# KiCad board periph_board.kicad_pcb
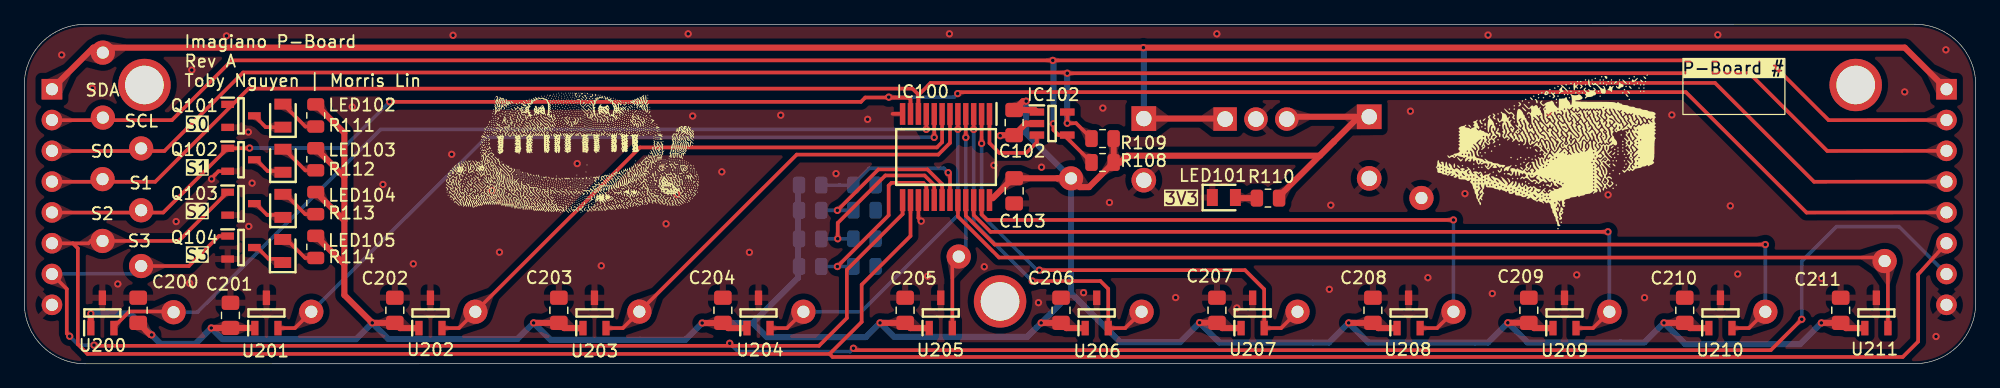
[diagram p0: board, top side]
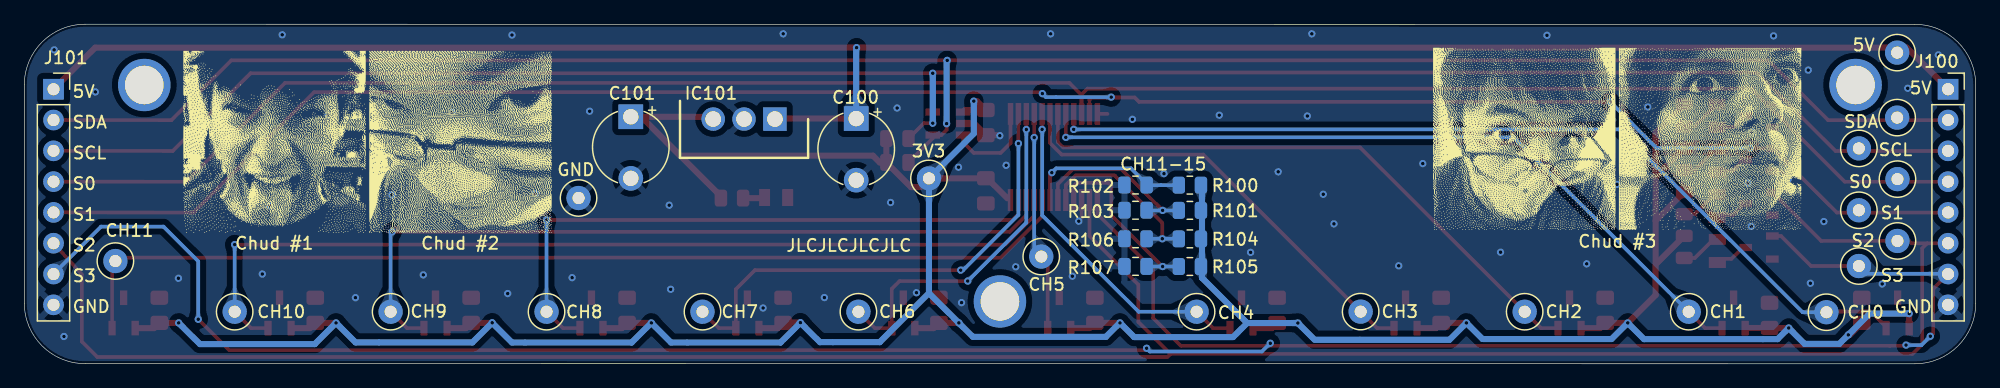
[diagram p1: board, bottom side, seen from below]

Outline 160.6 x 28 mm; copper layers: Top, Bottom. Coordinates in mm from the lower left corner of the outline.
Outline path: 0,22.99 arc(1.46,26.53) 5,27.99 155.6,28 arc(159.14,26.54) 160.6,23 160.6,5.01 arc(159.14,1.47) 155.6,0.01 5,0 arc(1.46,1.46) 0,5 0,22.99

## Placement (name value [footprint] x y rotation side)
C100  4u7  [CP_Radial_Tantal200mil]  92.14 20.22 270 bottom
C101  4u7  [CP_Radial_Tantal200mil]  110.69 20.37 270 bottom
C102  1u  [C_0805_2012Metric_Pad1.18x1.45mm_HandSolder]  81.46 19.89 90 top
C103  1u  [C_0805_2012Metric_Pad1.18x1.45mm_HandSolder]  81.46 14.26 90 top
C200  1u  [C_0805_2012Metric_Pad1.18x1.45mm_HandSolder]  9.38 4.41 270 top
C201  1u  [C_0805_2012Metric_Pad1.18x1.45mm_HandSolder]  16.97 3.99 270 top
C202  1u  [C_0805_2012Metric_Pad1.18x1.45mm_HandSolder]  30.49 4.41 270 top
C203  1u  [C_0805_2012Metric_Pad1.18x1.45mm_HandSolder]  43.99 4.41 270 top
C204  1u  [C_0805_2012Metric_Pad1.18x1.45mm_HandSolder]  57.49 4.41 270 top
C205  1u  [C_0805_2012Metric_Pad1.18x1.45mm_HandSolder]  72.49 4.41 270 top
C206  1u  [C_0805_2012Metric_Pad1.18x1.45mm_HandSolder]  85.32 4.41 270 top
C207  1u  [C_0805_2012Metric_Pad1.18x1.45mm_HandSolder]  98.16 4.41 270 top
C208  1u  [C_0805_2012Metric_Pad1.18x1.45mm_HandSolder]  110.99 4.41 270 top
C209  1u  [C_0805_2012Metric_Pad1.18x1.45mm_HandSolder]  123.82 4.41 270 top
C210  1u  [C_0805_2012Metric_Pad1.18x1.45mm_HandSolder]  136.65 4.41 270 top
C211  1u  [C_0805_2012Metric_Pad1.18x1.45mm_HandSolder]  149.49 4.41 270 top
G***  -  [LOGO]  125.63 17.77 0 top
G***#2  -  [LOGO]  45.27 17.61 0 top
G***#3  -  [LOGO]  140.01 18.3 180 bottom
G***#4  -  [LOGO]  21.86 18.55 180 bottom
G***#5  -  [LOGO]  124.71 18.3 180 bottom
G***#6  -  [LOGO]  37.15 18.55 180 bottom
H101  MountingHole  [standoff_MH]  150.73 23.01 0 top
H102  MountingHole  [standoff_MH]  9.89 23.01 0 top
H103  MountingHole  [standoff_MH]  80.3 5.16 0 top
IC100  CD74HC4067SM96  [SOP65P780X200-24N]  75.86 17.05 270 top
IC101  LM2937ET-3.3_NOPB  [TO254P470X1028X1955-3P]  98.83 20.18 0 bottom
IC102  MCP3221AxT-E_OT  [SOT95P280X145-5N]  84.58 19.81 0 top
J100  2x8 Socket Pins  [PinSocket_1x08_P2.54mm_Vertical]  2.28 22.64 180 bottom
J101  2x8 Plug Pins  [PinSocket_1x08_P2.54mm_Vertical]  158.19 22.64 180 bottom
LED101  PWR_LED  [LEDC2012X40N]  98.73 13.71 0 top
LED102  S0  [LEDC2012X40N]  21.28 20.46 90 top
LED103  S1  [LEDC2012X40N]  21.28 16.74 90 top
LED104  S2  [LEDC2012X40N]  21.28 13.02 90 top
LED105  S3  [LEDC2012X40N]  21.27 9.3 90 top
Q101  NX3020NAK-QR  [SOT95P230X110-3N]  17.84 20.44 0 top
Q102  NX3020NAK-QR  [SOT95P230X110-3N]  17.84 16.82 0 top
Q103  NX3020NAK-QR  [SOT95P230X110-3N]  17.84 13.2 0 top
Q104  NX3020NAK-QR  [SOT95P230X110-3N]  17.84 9.58 0 top
R100  3k  [R_0805_2012Metric]  64.67 14.73 0 bottom  (not fitted)
R101  7k5  [R_0805_2012Metric]  64.67 12.65 0 bottom  (not fitted)
R102  3k3  [R_0805_2012Metric]  69.14 14.74 0 bottom  (not fitted)
R103  9k1  [R_0805_2012Metric]  69.14 12.66 0 bottom  (not fitted)
R104  1k5  [R_0805_2012Metric]  64.67 10.3 0 bottom  (not fitted)
R105  1k3  [R_0805_2012Metric]  64.67 8.02 0 bottom  (not fitted)
R106  2k  [R_0805_2012Metric]  69.14 10.31 0 bottom  (not fitted)
R107  2k  [R_0805_2012Metric]  69.14 8.03 0 bottom  (not fitted)
R108  10k  [R_0805_2012Metric]  88.74 16.6 0 top
R109  10k  [R_0805_2012Metric]  88.74 18.57 0 top
R110  470  [R_0805_2012Metric]  102.36 13.66 0 top
R111  470  [R_0805_2012Metric]  23.98 20.48 90 top
R112  470  [R_0805_2012Metric]  23.98 16.86 90 top
R113  470  [R_0805_2012Metric]  23.98 13.25 90 top
R114  470  [R_0805_2012Metric]  23.98 9.64 90 top
TP100  CH0  [bettertestpoint2]  12.28 4.25 90 bottom
TP101  CH1  [bettertestpoint2]  23.62 4.29 90 bottom
TP102  3V3  [bettertestpoint2]  86.14 15.29 180 bottom
TP103  CH2  [bettertestpoint2]  37.12 4.29 90 bottom
TP104  CH3  [bettertestpoint2]  50.62 4.3 90 bottom
TP105  CH4  [bettertestpoint2]  64.12 4.29 90 bottom
TP106  CH5  [bettertestpoint2]  76.91 8.84 90 bottom
TP107  CH6  [bettertestpoint2]  91.95 4.29 90 bottom
TP108  CH7  [bettertestpoint2]  104.79 4.29 90 bottom
TP109  CH8  [bettertestpoint2]  117.62 4.29 90 bottom
TP110  CH9  [bettertestpoint2]  130.45 4.29 90 bottom
TP111  CH10  [bettertestpoint2]  143.29 4.29 90 bottom
TP112  CH11  [bettertestpoint2]  153.11 8.47 180 bottom
TP113  SDA  [bettertestpoint2]  6.47 20.3 180 bottom
TP114  SCL  [bettertestpoint2]  9.62 17.76 180 bottom
TP115  GND  [bettertestpoint2]  114.98 13.67 180 bottom
TP116  S0  [bettertestpoint2]  6.44 15.23 180 bottom
TP117  S1  [bettertestpoint2]  9.62 12.66 180 bottom
TP118  S2  [bettertestpoint2]  6.44 10.13 180 bottom
TP119  S3  [bettertestpoint2]  9.62 8.06 180 bottom
TP120  5V  [bettertestpoint2]  6.47 25.66 180 bottom
U200  AH49HNTR-G1  [SOT95P282X145-3N]  6.42 4.19 90 top
U201  AH49HNTR-G1  [SOT95P282X145-3N]  19.92 4.19 90 top
U202  AH49HNTR-G1  [SOT95P282X145-3N]  33.42 4.19 90 top
U203  AH49HNTR-G1  [SOT95P282X145-3N]  46.92 4.19 90 top
U204  AH49HNTR-G1  [SOT95P282X145-3N]  60.42 4.19 90 top
U205  AH49HNTR-G1  [SOT95P282X145-3N]  75.42 4.19 90 top
U206  AH49HNTR-G1  [SOT95P282X145-3N]  88.26 4.19 90 top
U207  AH49HNTR-G1  [SOT95P282X145-3N]  101.09 4.19 90 top
U208  AH49HNTR-G1  [SOT95P282X145-3N]  113.92 4.19 90 top
U209  AH49HNTR-G1  [SOT95P282X145-3N]  126.76 4.19 90 top
U210  AH49HNTR-G1  [SOT95P282X145-3N]  139.59 4.19 90 top
U211  AH49HNTR-G1  [SOT95P282X145-3N]  152.42 4.19 90 top

## Library data of the parts
C100 = -: Datasheet: https://datasheets.kyocera-avx.com/KGM_X7R.pdf; Description: Unpolarized capacitor; Mouser Price/Stock: https://www.mouser.com/ProductDetail/KYOCERA-AVX/0805YC105KAT2A?qs=Ppq%252BQS%252B9qgKbltvIecMi5g%3D%3D; ki_fp_filters: CP_*
C101 = -: Description: Polarized capacitor, US symbol; Mouser Price/Stock: https://www.mouser.com/ProductDetail/KYOCERA-AVX/TCP1A106M8R?qs=sGAEpiMZZMtZ1n0r9vR22blfza6EDqdqKChrjBJniGMwR4ZbZ0PzAQ%3D%3D; ki_fp_filters: CP_*
C102 C103 C200-C211 = -: Datasheet: https://datasheets.kyocera-avx.com/KGM_X7R.pdf; Description: Unpolarized capacitor; Mouser Price/Stock: https://www.mouser.com/ProductDetail/KYOCERA-AVX/0805YC105KAT2A?qs=Ppq%252BQS%252B9qgKbltvIecMi5g%3D%3D; ki_fp_filters: C_*
H101-H103 = -: Description: Mounting Hole with connection; ki_fp_filters: MountingHole*Pad*
IC100 = -: Datasheet: https://datasheet.datasheetarchive.com/originals/distributors/SFDatasheet-6/sf-000127204.pdf; Description: High Speed CMOS 16-Ch MUX/DEMUX 24P SOIC CD74HC4067SM96, Multiplexer/Demultiplexer Single 16:1, 3 V, 5 V, 24-Pin, SSOP, 1; Height: 2; Mouser Part Number: 595-CD74HC4067SM96; Mouser Price/Stock: https://www.mouser.com/ProductDetail/Texas-Instruments/CD74HC4067SM96?qs=JHHQeKcAU3DyfvAOSRLjhQ%3D%3D; Manufacturer_Name: Texas Instruments
IC101 = -: Datasheet: http://www.ti.com/general/docs/suppproductinfo.tsp?distId=10&gotoUrl=http%3A%2F%2Fwww.ti.com%2Flit%2Fgpn%2Flm2937; Description: 400mA and 500mA Voltage Regulator; Height: 4.7; Mouser Part Number: 926-LM2937ET-3.3NOPB; Mouser Price/Stock: https://www.mouser.com/ProductDetail/Texas-Instruments/LM2937ET-3.3-NOPB?qs=X1J7HmVL2ZEMUke2IfNR4w%3D%3D; Manufacturer_Name: Texas Instruments; Manufacturer_Part_Number: LM2937ET-3.3/NOPB
IC102 = -: Datasheet: https://datasheet.datasheetarchive.com/originals/distributors/SFDatasheet-4/sf-00090069.pdf; Description: A/D Converter 12-Bit I2C 22ksps SOT23-5; Height: 1.45; Mouser Part Number: 579-MCP3221A5T-E/OT; Mouser Price/Stock: https://www.mouser.com/ProductDetail/Microchip-Technology/MCP3221A5T-E-OT?qs=InakTnyiSK9lljladcdZHQ%3D%3D; Manufacturer_Name: Microchip; Manufacturer_Part_Number: MCP3221A5T-E/OT
J100 J101 = -: Description: Generic connector, single row, 01x08, script generated (kicad-library-utils/schlib/autogen/connector/); ki_fp_filters: Connector*:*_1x??_*
LED101 = -: Datasheet: https://datasheet.datasheetarchive.com/originals/distributors/DKDS-18/344792.pdf; Description: Standard LEDs - SMD Super Red, 633nm 180mcd, 20mA; Height: 0.4; Mouser Part Number: 720-LSR976-NR-1; Mouser Price/Stock: https://www.mouser.com/ProductDetail/ams-OSRAM/LS-R976-NR-1?qs=K5ta8V%252BWhtZhvCAe1sTZFg%3D%3D; Manufacturer_Name: ams OSRAM; Manufacturer_Part_Number: LS R976-NR-1; ki_fp_filters: LED* LED_SMD:* LED_THT:*
LED102-LED105 = -: Description: Standard LEDs - SMD Super Red, 633nm 180mcd, 20mA; Height: 0.4; Mouser Part Number: 720-LSR976-NR-1; Manufacturer_Name: ams OSRAM; Manufacturer_Part_Number: LS R976-NR-1; ki_fp_filters: LED* LED_SMD:* LED_THT:*
Q101-Q104 = -: Datasheet: https://assets.nexperia.com/documents/data-sheet/NX3020NAK.pdf; Description: 30 V, N-channel Trench MOSFET; Height: 1.1; Manufacturer_Name: Nexperia
R100-R107 = -: Description: Resistor, small US symbol; ki_fp_filters: R_*
R108-R114 = -: Description: Resistor; ki_fp_filters: R_*
TP100-TP120 = -: Description: test point; ki_fp_filters: Pin* Test*
U200-U211 = -: Datasheet: https://www.diodes.com//assets/Datasheets/AH49H.pdf; Description: Board Mount Hall Effect / Magnetic Sensors Linear Hall Sensor 3mA 3 to 8V; Height: 1.45; Mouser Part Number: 621-AH49HNTR-G1; Mouser Price/Stock: https://www.mouser.com/ProductDetail/Diodes-Incorporated/AH49HNTR-G1?qs=M%2FOdCRO8QQ2grA%252BZedkP6g%3D%3D; Manufacturer_Name: Diodes Incorporated

## Footprints (pads in the part's own frame, mm; a bottom-side part is the same pattern mirrored in y, then rotated)
bettertestpoint2
  round 2 hole 1: 1(0,0)
C_0805_2012Metric_Pad1.18x1.45mm_HandSolder
  rrect 1.175x1.45 smd: 1(-1.038,0) 2(1.038,0)
CP_Radial_Tantal200mil
  rect 2.032x2.032 hole 1.27: 1(0,0)
  round 2.032 hole 1.27: 2(5.08,0)
LEDC2012X40N
  rect 0.9x1.4 smd: 1(-0.95,0) 2(0.95,0)
PinSocket_1x08_P2.54mm_Vertical
  rect 1.7x1.7 hole 1: 1(0,0)
  round 1.7 hole 1: 2(0,-2.54) 3(0,-5.08) 4(0,-7.62) 5(0,-10.16) 6(0,-12.7) 7(0,-15.24) 8(0,-17.78)
R_0805_2012Metric
  rrect 1.025x1.4 smd: 1(-0.912,0) 2(0.912,0)
SOP65P780X200-24N
  rect 1.8x0.45 smd: 1(-3.55,3.575) 2(-3.55,2.925) 3(-3.55,2.275) 4(-3.55,1.625) 5(-3.55,0.975) 6(-3.55,0.325) 7(-3.55,-0.325) 8(-3.55,-0.975) 9(-3.55,-1.625) 10(-3.55,-2.275) 11(-3.55,-2.925) 12(-3.55,-3.575) 13(3.55,-3.575) 14(3.55,-2.925) 15(3.55,-2.275) 16(3.55,-1.625) 17(3.55,-0.975) 18(3.55,-0.325) 19(3.55,0.325) 20(3.55,0.975) 21(3.55,1.625) 22(3.55,2.275) 23(3.55,2.925) 24(3.55,3.575)
SOT95P230X110-3N
  rect 1.05x0.6 smd: 1(-1.1,0.95) 2(-1.1,-0.95) 3(1.1,0)
SOT95P280X145-5N
  rect 1.2x0.6 smd: 1(-1.25,0.95) 2(-1.25,0) 3(-1.25,-0.95) 4(1.25,-0.95) 5(1.25,0.95)
SOT95P282X145-3N
  rect 1.2x0.6 smd: 1(-1.25,0.95) 2(-1.25,-0.95) 3(1.25,0)
standoff_MH
  round 4.318 hole 3.175: 1(0,-0.025)
TO254P470X1028X1955-3P
  rect 1.935x1.935 hole 1.29: 1(0,0)
  round 1.935 hole 1.29: 2(2.54,0) 3(5.08,0)

## Nets
+3V3: C101.1 C102.2 C103.2 C200.2 C201.2 C202.2 C203.2 C204.2 C205.2 C206.2 C207.2 C208.2 C209.2 C210.2 C211.2 IC100.24 IC101.3 IC102.1 R100.1 R101.1 R104.1 R105.1 R108.2 R109.2 R110.2 R111.2 R112.2 R113.2 R114.2 TP102.1 U200.1 U201.1 U202.1 U203.1 U204.1 U205.1 U206.1 U207.1 U208.1 U209.1 U210.1 U211.1
+5V: C100.1 IC101.1 J100.1 J101.1 TP120.1
/1V729: IC100.19 R100.2 R102.1
/1V810: IC100.18 R101.2 R103.1
/1V866: IC100.17 R104.2 R106.1
/2V000: IC100.16 R105.2 R107.1
GND: C100.2 C101.2 C102.1 C103.1 C200.1 C201.1 C202.1 C203.1 C204.1 C205.1 C206.1 C207.1 C208.1 C209.1 C210.1 C211.1 IC100.12 IC100.15 IC101.2 IC102.2 J100.8 J101.8 LED101.1 Q101.2 Q102.2 Q103.2 Q104.2 R102.2 R103.2 R106.2 R107.2 TP115.1 U200.3 U201.3 U202.3 U203.3 U204.3 U205.3 U206.3 U207.3 U208.3 U209.3 U210.3 U211.3
/CH0: IC100.9 TP100.1 U200.2
/CH1: IC100.8 TP101.1 U201.2
/CH2: IC100.7 TP103.1 U202.2
/CH3: IC100.6 TP104.1 U203.2
/CH4: IC100.5 TP105.1 U204.2
/CH5: IC100.4 TP106.1 U205.2
/CH6: IC100.3 TP107.1 U206.2
/CH7: IC100.2 TP108.1 U207.2
/CH8: IC100.23 TP109.1 U208.2
/CH9: IC100.22 TP110.1 U209.2
/CH10: IC100.21 TP111.1 U210.2
/CH11: IC100.20 TP112.1 U211.2
/HALL_OUT: IC100.1 IC102.3
/S0: IC100.10 J100.4 J101.4 Q101.1 TP116.1
/S1: IC100.11 J100.5 J101.5 Q102.1 TP117.1
/S2: IC100.14 J100.6 J101.6 Q103.1 TP118.1
/S3: IC100.13 J100.7 J101.7 Q104.1 TP119.1
/SCL: IC102.5 J100.3 J101.3 R109.1 TP114.1
/SDA: IC102.4 J100.2 J101.2 R108.1 TP113.1
Net-(LED101-A): LED101.2 R110.1
Net-(LED102-A): LED102.2 R111.1
Net-(LED102-K): LED102.1 Q101.3
Net-(LED103-A): LED103.2 R112.1
Net-(LED103-K): LED103.1 Q102.3
Net-(LED104-A): LED104.2 R113.1
Net-(LED104-K): LED104.1 Q103.3
Net-(LED105-A): LED105.2 R114.1
Net-(LED105-K): LED105.1 Q104.3

Pads without a net: H101 1; H102 1; H103 1

## Via types
v1: diameter 0.6, hole 0.3, Top to Bottom, 105 vias

## Routing (per net, layer and track width the routed paths; a pad name or vN(x,y) marks a point on that pad's centre or on a via; arc(x,y) is an arc through that point)
+3V3: length 316.9
  Top w0.5: v1(122.1,3.38) 123.81,3.38 C209.2 124.25,2.94 U209.1 ; 107.79,18.33 103.27,13.81 R110.2 ; 107.79,18.33 109.83,20.37 C101.1 104.11,20.37 103.92,20.18 IC101.3 ; 107.79,18.33 106.61,17.16 90.76,17.16 90.2,16.6 R108.2 ; U201.1 18.96,2.95 C201.2 16.96,2.95 v1(15.39,2.95) ; v1(10.48,2.38) 10.37,2.38 C200.2 ; R111.2 26.34,19.03 26.34,15.42 ; U202.1 30.93,2.94 C202.2 30.49,3.37 v1(28.64,3.37) 26.34,5.66 26.34,11.81 ; IC102.1 83.17,20.93 C102.2 82.2,21.66 v1(82.45,21.66) ; U208.1 111.42,2.94 C208.2 110.99,3.37 v1(108.99,3.37) ; U207.1 98.59,2.94 C207.2 98.14,3.39 v1(96.73,3.39) ; v1(70.42,3.37) 72.49,3.37 C205.2 72.92,2.94 U205.1 ; v1(5.48,4.14) U200.1 ; R108.2 R109.2 ; R108.2 87.63,14.57 86.86,14.57 TP102.1 85.04,15.29 85.03,15.3 81.35,15.3 79.7,13.65 ; U206.1 85.76,2.94 C206.2 85.32,3.37 v1(83.69,3.37) ; 26.34,15.42 26.34,11.81 ; 26.34,15.42 R112.2 ; U211.1 149.92,2.94 C211.2 149.48,3.37 v1(147.89,3.37) ; v1(41.92,3.37) 43.99,3.37 C203.2 44.43,2.94 U203.1 ; v1(134.94,3.37) 136.65,3.37 C210.2 137.09,2.94 U210.1 ; R114.2 26.34,8.19 ; 26.34,11.81 R113.2 ; v1(55.79,3.36) 57.48,3.36 C204.2 57.92,2.94 U204.1
  Bottom w0.5: 59.95,3.36 v1(55.79,3.36) 54.41,1.98 43.31,1.98 v1(41.92,3.37) 40.59,2.04 29.97,2.04 v1(28.64,3.37) 27.3,2.03 16.31,2.03 v1(15.39,2.95) 14.08,1.64 11.23,1.64 v1(10.48,2.38) 8.73,4.14 v1(5.48,4.14) ; 59.95,3.36 61.11,2.2 69.26,2.2 v1(70.42,3.37) 70.44,3.37 71.58,2.22 82.54,2.22 v1(83.69,3.37) 86.14,5.83 ; 59.95,3.36 63.67,7.08 63.67,14.73 ; v1(147.89,3.37) 146.14,1.62 136.69,1.62 v1(134.94,3.37) 133.33,1.76 123.71,1.76 v1(122.1,3.38) 120.46,1.75 110.61,1.75 v1(108.99,3.37) 107.38,1.75 98.36,1.75 v1(96.73,3.39) 95.11,1.78 90.2,1.78 86.14,5.83 ; 86.14,5.83 TP102.1 82.45,18.98 v1(82.45,21.66)
+5V: length 171.4
  Top w0.5: IC101.1 98.79,20.22 C100.1 ; 2.28,22.63 2.28,22.67 5.67,26.07 154.76,26.07 J101.1 158.21,22.64
  Bottom w0.5: C100.1 92.14,26.04 v1(92.11,26.07)
/1V729: length 13.4
  Top w0.3: v1(76.04,15.76) 76.18,15.61 IC100.19
  Bottom w0.3: 68.14,14.73 69.52,16.12 75.67,16.12 v1(76.04,15.76) ; 68.14,14.73 65.67,14.73 ; 68.14,14.73 68.14,14.74
/1V810: length 14.3
  Top w0.3: IC100.18 75.53,14.82 74.33,16.03 70.3,16.03 v1(66.92,12.65)
  Bottom w0.3: 68.14,12.66 68.14,12.65 v1(66.92,12.65) 65.67,12.65
/1V866: length 14.9
  Top w0.3: v1(66.95,10.31) 66.95,11.61 70.86,15.53 74.09,15.53 74.88,14.74 IC100.17
  Bottom w0.3: 68.14,10.31 v1(66.95,10.31) 65.69,10.31 65.67,10.3
/2V000: length 15.4
  Top w0.3: v1(66.92,8.02) 71.14,12.24 71.14,14.69 71.36,14.92 73.99,14.92 74.23,14.68 IC100.16
  Bottom w0.3: 68.14,8.03 68.14,8.02 v1(66.92,8.02) 65.67,8.02
GND: length 7.8
  Top w0.3: Q102.2 15.98,15.87 15.42,15.31 v1(15.42,15.24) ; v1(73.82,11.76) 73.82,11.8 73.58,12.03 IC100.15 ; 71.45,20.61 72.28,20.61
  Top w0.5: v1(80.32,18.81) 80.36,18.85 81.35,18.85 81.35,18.85 C102.1 82.42,19.81 IC102.2 ; 81.66,13.19 81.72,13.19
  vias: v1(3.08,25.47) v1(5.59,22.72) v1(7.7,6.58) v1(12.5,11.73) v1(13.61,6.64) v1(13.78,24.22) v1(16.64,27.04) v1(18.44,19.11) v1(18.48,11.33) v1(18.75,14.9) v1(26.98,21.18) v1(29.52,14.79) v1(32.02,8.24) v1(35.17,17.27) v1(35.28,27.09) v1(38.52,14.29) v1(39.11,9.2) v1(45.51,16.51) v1(47.48,8.08) v1(52.82,11.54) v1(53.7,13.98) v1(54.64,27.21) v1(55.01,20.43) v1(57.41,15.83) v1(59.67,9.19) v1(62.26,20.5) v1(66.8,15.68) v1(69.41,20.16) v1(74.35,7.22) v1(76.14,27.21) v1(79.01,8) v1(79.8,16.37) v1(83.46,5.04) v1(83.71,16.21) v1(87.17,5.86) v1(88.77,21.09) v1(89.3,13.3) v1(94.76,5.46) v1(98.14,27.21) v1(99.8,4.6) v1(107.41,6.14) v1(107.52,13.08) v1(114.08,20.83) v1(115.52,7.1) v1(118.57,14.03) v1(120.46,27.11) v1(120.82,5.79) v1(125.41,20.72) v1(127.77,7.33) v1(130.35,13.93) v1(133.35,5.45) v1(135.6,20.52) v1(139.38,27.13) v1(140.41,13.02) v1(141.01,7.4) v1(147.92,7.05) v1(154.75,22.42) v1(157.33,2.25) v1(158.14,25.89)
/CH0: length 75
  Top w0.3: v1(74.23,19.33) IC100.9 ; TP100.1 12.22,4.31 8.64,4.31 7.38,3.04 U200.2 ; 7.41,2.98 7.4,2.97
  Bottom w0.3: TP100.1 14.25,4.25 29.33,19.33 v1(74.23,19.33)
/CH1: length 62.5
  Top w0.3: U201.2 22.27,2.94 TP101.1 ; v1(74.89,18.67) IC100.8
  Bottom w0.3: TP101.1 38.01,18.68 74.88,18.68 v1(74.89,18.67)
/CH2: length 49.8
  Top w0.3: IC100.7 75.53,18.27 75.11,17.84 50.67,17.84 TP103.1 35.77,2.94 U202.2
/CH3: length 37
  Top w0.3: IC100.6 76.18,18.21 75.22,17.25 63.57,17.25 TP104.1 49.26,2.94 U203.2
/CH4: length 27.7
  Top w0.3: TP105.1 62.77,2.94 U204.2 ; v1(76.83,19.33) IC100.5
  Bottom w0.3: v1(76.83,19.33) 76.83,19.32 76.83,12.23 68.89,4.29 TP105.1
/CH5: length 18.1
  Top w0.3: v1(77.48,18.66) IC100.4 ; TP106.1 76.38,8.31 U205.2
  Bottom w0.3: v1(77.48,18.66) 77.48,9.42 TP106.1
/CH6: length 28.8
  Top w0.3: v1(78.14,19.32) IC100.3 ; TP107.1 90.6,2.94 U206.2 89.21,6.18 88.57,6.82 v1(82.95,6.82)
  Bottom w0.3: v1(78.14,19.32) 78.14,11.64 v1(82.95,6.82)
/CH7: length 40.6
  Top w0.3: TP108.1 103.44,2.94 U207.2 102.04,6.14 100.46,7.72 v1(83.54,7.72) ; IC100.2 v1(78.78,18.17)
  Bottom w0.3: v1(78.79,18.17) 78.79,12.27 83.33,7.72 v1(83.54,7.72)
/CH8: length 51.1
  Top w0.3: v1(117.62,11.86) 79.25,11.86 78.78,12.32 IC100.23 ; U208.2 116.27,2.94 TP109.1
  Bottom w0.3: v1(117.62,11.86) TP109.1
/CH9: length 64
  Top w0.3: U209.2 129.1,2.94 TP110.1 ; IC100.22 78.13,12.26 79.52,10.88 v1(130.33,10.88)
  Bottom w0.3: v1(130.33,10.88) 130.45,10.76 TP110.1
/CH10: length 76.9
  Top w0.3: U210.2 141.94,2.94 TP111.1 ; v1(143.29,9.83) 79.86,9.83 77.48,12.21 IC100.21
  Bottom w0.3: v1(143.29,9.83) TP111.1
/CH11: length 84.8
  Top w0.3: U211.2 153.37,8.2 TP112.1 152.82,8.76 80.22,8.76 76.83,12.15 IC100.20
/HALL_OUT: length 7.6
  Top w0.3: IC100.1 79.43,18.2 80.24,17.39 82.46,17.39 83.33,18.26 IC102.3
/S0: length 166.3
  Top w0.3: 158.21,15.02 J101.4 147.3,15.01 139.14,23.16 74.59,23.16 73.58,22.16 IC100.10 73.58,22.2 73.1,22.69 18.45,22.69 10.77,15.01 2.28,15.01
/S1: length 169.1
  Top w0.3: 158.21,12.48 J101.5 146.68,12.47 136.75,22.4 76.93,22.4 v1(76.81,22.28) ; 70.94,21.99 70.98,21.95 72.77,21.95 72.77,21.96 ; 72.77,21.96 72.93,21.8 IC100.11 ; 72.77,21.96 69.21,21.96 68.86,21.6 v1(30.08,21.6) ; v1(18.55,17.79) 18.53,17.77 Q102.1 11.43,12.47 2.28,12.47
  Bottom w0.3: v1(30.08,21.6) 26.27,17.79 v1(18.55,17.79) ; v1(71.14,21.99) 75.67,21.99 75.68,21.99 76.53,21.99 v1(76.81,22.28)
/S2: length 201.6
  Top w0.3: 66.27,0.81 66.52,0.56 154.6,0.56 155.87,1.83 155.87,7.37 J101.6 158.21,9.94 ; 66.27,0.81 5.2,0.81 4.41,1.61 4.41,9.52 4,9.93 ; 66.27,0.81 68.92,3.45 68.92,6.52 72.93,10.54 IC100.14 ; 4,9.93 5.28,9.93 5.47,10.13 TP118.1 12.71,10.13 Q103.1 ; 4,9.93 2.28,9.93
/S3: length 207.7
  Top w0.3: IC100.13 72.28,12.34 67.7,7.75 67.7,3.77 65.41,1.48 58.3,1.48 ; 58.3,1.48 58.27,1.48 ; 58.3,1.48 5.8,1.48 v1(5.73,1.54) ; Q104.1 16.02,10.53 13.55,8.06 TP119.1 ; v1(68.23,1.28) 68.39,1.12 143.74,1.12 v1(146.29,3.67) ; v1(3.73,2.27) 3.5,2.5 3.5,6.17 2.28,7.39
  Bottom w0.3: v1(3.73,2.27) 4.46,1.54 v1(5.73,1.54) ; 158.21,7.4 158.2,7.39 J101.7 154.28,11.31 149.14,11.31 146.29,8.45 v1(146.29,3.67) ; v1(68.23,1.28) 67.96,1.01 58.75,1.01 58.05,1.71 58.05,1.7 v1(58.05,1.69) ; TP119.1 8.98,7.42 2.31,7.42 2.28,7.39
/SCL: length 168.9
  Top w0.3: 2.28,17.55 2.72,17.55 2.73,17.54 11.53,17.54 18.01,24.02 85.77,24.02 v1(85.83,23.96) 141.98,23.96 148.39,17.55 J101.3 158.21,17.56 ; R109.1 86.56,19.84 v1(85.83,19.84) IC102.5
  Bottom w0.5: v1(85.83,19.84) v1(85.83,23.96)
/SDA: length 170.3
  Top w0.3: v1(84.64,25.02) 17.08,25.02 12.14,20.09 2.28,20.09 ; v1(84.64,25.02) 143.56,25.02 148.5,20.09 J101.2 158.21,20.1 ; v1(84.64,25.02) 84.64,24.86 ; v1(84.7,19.8) 84.7,19.29 85.13,18.86 IC102.4 85.83,18.59 R108.1
  Bottom w0.5: v1(84.64,25.02) 84.7,24.97 v1(84.7,19.8)
Net-(LED101-A): length 1.8
  Top w0.5: LED101.2 99.73,13.66 R110.1
Net-(LED102-A): length 3.5
  Top w0.3: LED102.2 23.13,19.56 R111.1
Net-(LED102-K): length 2.7
  Top w0.3: LED102.1 19.87,19.51 Q101.3
Net-(LED103-A): length 3.5
  Top w0.3: 21.28,17.79 23.13,15.95 R112.1
Net-(LED103-K): length 2.7
  Top w0.3: Q102.3 19.09,16.82 20.02,15.89 21.28,15.89
Net-(LED104-A): length 3.5
  Top w0.3: R113.1 23.12,12.34 21.28,14.17
Net-(LED104-K): length 2.7
  Top w0.3: 21.28,12.27 19.98,12.27 19.05,13.2 Q103.3
Net-(LED105-A): length 3.5
  Top w0.3: R114.1 23.11,8.72 21.28,10.55
Net-(LED105-K): length 2.7
  Top w0.3: 21.28,8.65 20.1,8.65 19.17,9.58 Q104.3

## Copper pours and planes (outline as drawn; the poured copper is in the pictures)
GND on Top, Bottom: -4.09,-15.85 168.61,-15.85 168.61,35.63 -4.07,35.63 -4.09,35.61

Small or netless copper shapes (teardrops, artwork), in the pictures only: 207 on Top, 82 on Bottom

## Text on the board
B.Silkscreen: 5V | GND | S1 | S3 | SCL | S2 | S0 | SDA | Chud #3 | CH11-15 | JLCJLCJLCJLC | Chud #2 | Chud #1
F.Silkscreen: Imagiano P-Board / Rev A / Toby Nguyen | Morris Lin | S0 | S1 | S2 | S3 | 3V3 | P-Board #
